# Altium PCB ESP32_LED_Matrix_Completed.PcbDoc (part 1 of 2) (continued)
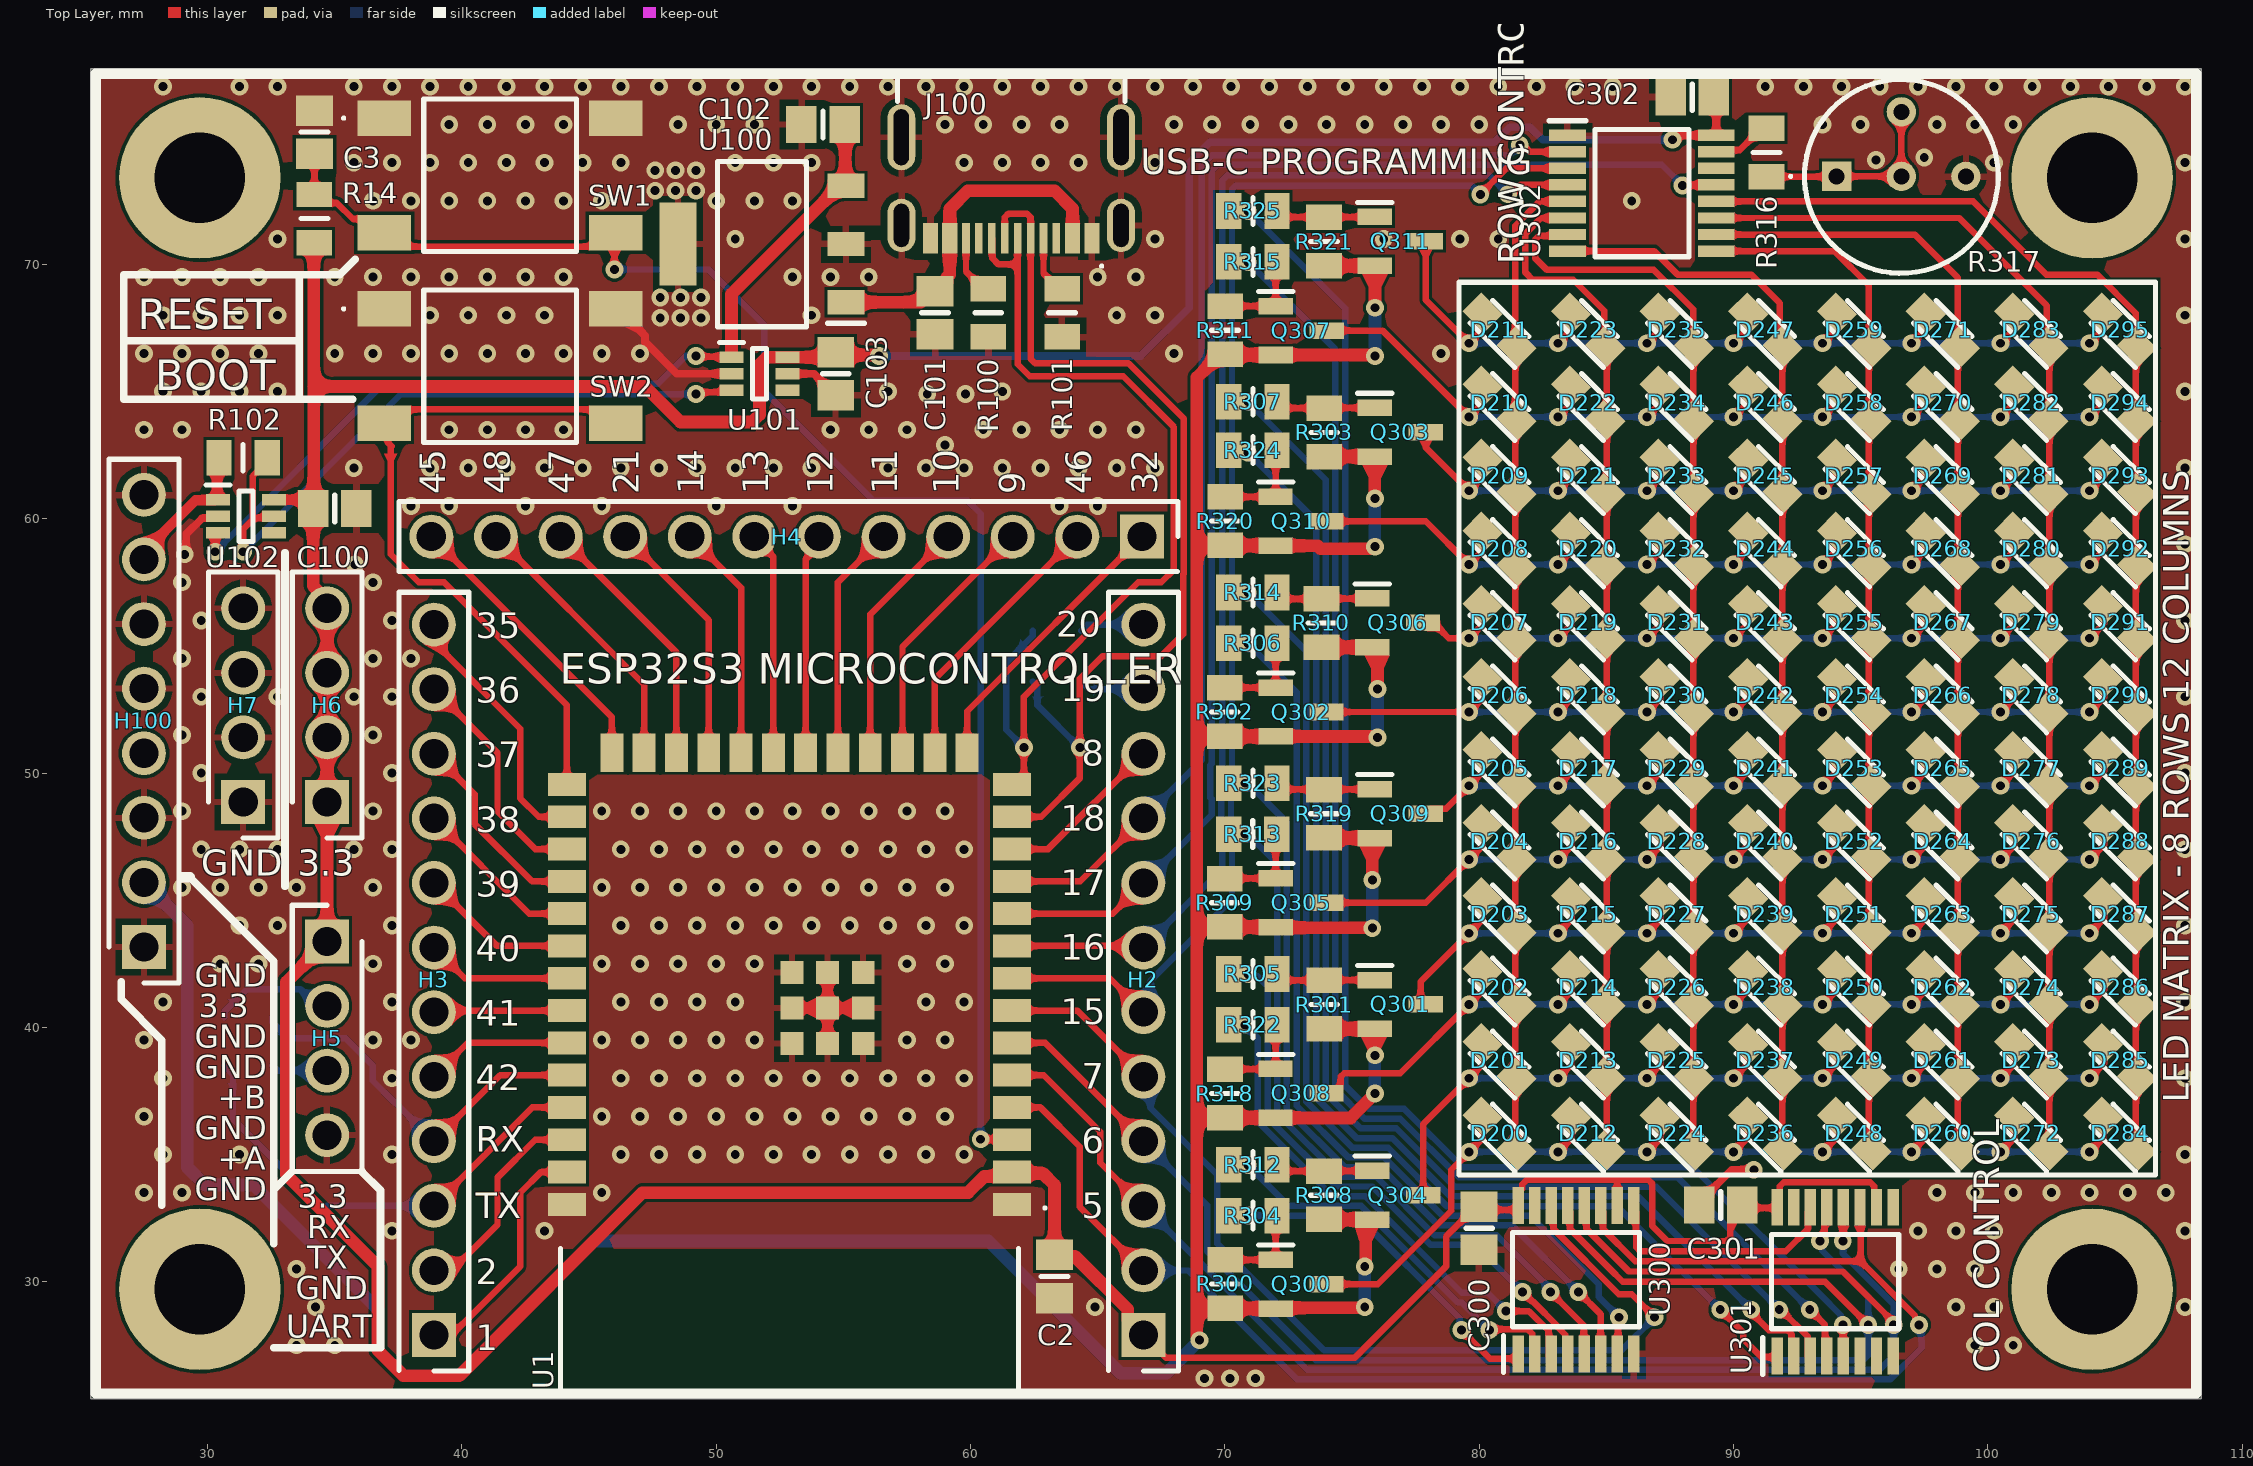
[diagram p0: Top Layer view]
## Components (designator, comment, footprint, x,y, rotation, side; value= is the part's Value field where it differs from the comment) (continued)
D258 "LED" LEDM2012X80N 94.743,64.558 r135 top
D259 "LED" LEDM2012X80N 94.743,67.431 r135 top
D260 "LED" LEDM2012X80N 98.229,35.827 r135 top
D261 "LED" LEDM2012X80N 98.229,38.7 r135 top
D262 "LED" LEDM2012X80N 98.229,41.573 r135 top
D263 "LED" LEDM2012X80N 98.229,44.446 r135 top
D264 "LED" LEDM2012X80N 98.229,47.319 r135 top
D265 "LED" LEDM2012X80N 98.229,50.192 r135 top
D266 "LED" LEDM2012X80N 98.229,53.065 r135 top
D267 "LED" LEDM2012X80N 98.229,55.939 r135 top
D268 "LED" LEDM2012X80N 98.229,58.812 r135 top
D269 "LED" LEDM2012X80N 98.229,61.685 r135 top
D270 "LED" LEDM2012X80N 98.229,64.558 r135 top
D271 "LED" LEDM2012X80N 98.229,67.431 r135 top
D272 "LED" LEDM2012X80N 101.714,35.827 r135 top
D273 "LED" LEDM2012X80N 101.714,38.7 r135 top
D274 "LED" LEDM2012X80N 101.714,41.573 r135 top
D275 "LED" LEDM2012X80N 101.714,44.446 r135 top
D276 "LED" LEDM2012X80N 101.714,47.319 r135 top
D277 "LED" LEDM2012X80N 101.714,50.192 r135 top
D278 "LED" LEDM2012X80N 101.714,53.065 r135 top
D279 "LED" LEDM2012X80N 101.714,55.939 r135 top
D280 "LED" LEDM2012X80N 101.714,58.812 r135 top
D281 "LED" LEDM2012X80N 101.714,61.685 r135 top
D282 "LED" LEDM2012X80N 101.714,64.558 r135 top
D283 "LED" LEDM2012X80N 101.714,67.431 r135 top
D284 "LED" LEDM2012X80N 105.2,35.827 r135 top
D285 "LED" LEDM2012X80N 105.2,38.7 r135 top
D286 "LED" LEDM2012X80N 105.2,41.573 r135 top
D287 "LED" LEDM2012X80N 105.2,44.446 r135 top
D288 "LED" LEDM2012X80N 105.2,47.319 r135 top
D289 "LED" LEDM2012X80N 105.2,50.192 r135 top
D290 "LED" LEDM2012X80N 105.2,53.065 r135 top
D291 "LED" LEDM2012X80N 105.2,55.939 r135 top
D292 "LED" LEDM2012X80N 105.2,58.812 r135 top
D293 "LED" LEDM2012X80N 105.2,61.685 r135 top
D294 "LED" LEDM2012X80N 105.2,64.558 r135 top
D295 "LED" LEDM2012X80N 105.2,67.431 r135 top
H2 "Header" Header_1X12 66.8,27.9 r90 top
H3 "Header" Header_1X12 38.9,27.9 r90 top
H4 "Header" Header_1X12 66.74,59.3 r180 top
H5 "4-Pin Header" Header_1X4 34.7,43.38 r270 top
H6 "4-Pin Header" Header_1X4 34.7,48.86 r90 top
H7 "4-Pin Header" Header_1X4 31.4,48.86 r90 top
H100 "Header" Header_1X8 27.5,43.16 r90 top
J100 "USB C" "USB TYPE C 12 PIN" 61.6,74.2 r180 top
Q300 "SI2305" SOT23 73,29.9 r270 top
Q301 "SI2305" SOT23 76.9,40.9 r270 top
Q302 "SI2305" SOT23 73,52.4 r270 top
Q303 "SI2305" SOT23 76.9,63.4 r270 top
Q304 "SI2305" SOT23 76.8,33.4 r270 top
Q305 "SI2305" SOT23 73,44.9 r270 top
Q306 "SI2305" SOT23 76.795,55.905 r270 top
Q307 "SI2305" SOT23 73.003,67.397 r270 top
Q308 "SI2305" SOT23 72.995,37.405 r270 top
Q309 "SI2305" SOT23 76.9,48.4 r270 top
Q310 "SI2305" SOT23 72.995,59.905 r270 top
Q311 "SI2305" SOT23 76.895,70.905 r270 top
R1 "0" RESC0805 31.6,40.4 r180 bottom
R2 "0" RESC0805 31.6,38.5 r0 bottom
R3 "0" RESC0805 63.4,53.7 r180 bottom
R4 "0" RESC0805 63.4,55.6 r180 bottom
R14 "10k" RESC0805 34.2,71.8 r90 top
R100 "5.11k" RESC0805 60.7,68.1 r90 top
R101 "5.11k" RESC0805 63.6,68.1 r90 top
R102 "10k" RESC0805 31.4,62.4 r180 top
R300 "100k" RESC0805 70.01,29.91 r90 top
R301 "100k" RESC0805 73.905,40.895 r90 top
R302 "100k" RESC0805 69.995,52.405 r90 top
R303 "100k" RESC0805 73.905,63.395 r90 top
R304 "10k" RESC0805 71.1,32.6 r0 top
R305 "10k" RESC0805 71.1,42.1 r0 top
R306 "10k" RESC0805 71.1,55.1 r0 top
R307 "10k" RESC0805 71.1,64.6 r0 top
R308 "100k" RESC0805 73.9,33.4 r90 top
R309 "100k" RESC0805 70,44.9 r90 top
R310 "100k" RESC0805 73.8,55.9 r90 top
R311 "100k" RESC0805 70.01,67.41 r90 top
R312 "10k" RESC0805 71.1,34.6 r0 top
R313 "10k" RESC0805 71.096,47.6 r0 top
R314 "10k" RESC0805 71.1,57.1 r0 top
R315 "10k" RESC0805 71.1,70.1 r0 top
R316 "1k" RESC0805 91.3,74.4 r270 top
R317 "50k" 3339P1103LF 94.06,73.46 r0 top
R318 "100k" RESC0805 70.005,37.395 r90 top
R319 "100k" RESC0805 73.9,48.4 r90 top
R320 "100k" RESC0805 70.01,59.91 r90 top
R321 "100k" RESC0805 73.9,70.9 r90 top
R322 "10k" RESC0805 71.1,40.1 r0 top
R323 "10k" RESC0805 71.1,49.6 r0 top
R324 "10k" RESC0805 71.1,62.7 r0 top
R325 "10k" RESC0805 71.1,72.1 r0 top
SW1 "TS04-66-73-BK-100-SMT" "Tactile Button 6.0mm x 6.0mm" 41.5,73.5 r0 top
SW2 "TS04-66-73-BK-100-SMT" "Tactile Button 6.0mm x 6.0mm" 41.5,66 r0 top
U1 "ESP32-S3-WROOM-1-N8" ESP32-S3-WROOM-1-N8 52.5,38.3 r180 top
U100 "AZ1117CH2-3.3TRG1" SOT223 51.8,70.8 r180 top
U101 "LM66100DCKR" SC70-6 51.7,65.7 r0 top
U102 "LM66100DCKR" SC70-6 31.512,60.098 r0 top
U300 "74HC595" TSSOP16 83.805,30.077 r90 top
U301 "74HC595" TSSOP16 94,30 r90 top
U302 "STP08DP05TTR" TSSOP16 86.4,72.8 r0 top

## Footprints (in the part's own frame and the unit in brackets; to place one, negate y for a bottom-side part, rotate by r counter-clockwise, add the part's x,y. Pads: shape width x height; smd on the part's side, far side on the other; paste and mask are expansions set on the pad)
3339P1103LF [mm]
  rect 1.155x1.155 hole 0.63: 1(0,0)
  round 1.155 hole 0.63: 2(2.54,0) 2(2.54,2.54) 3(5.08,0)
  silkscreen extent -1.86,-3.81 6.35,3.81, body extent -1.27,-3.81 6.35,3.81, height 6.42
CAP0805 [mm] "Chip Capacitor, 2-Leads, Body 2.00x1.20mm, IPC Medium Density"
  rect 1.2x1.45 smd: 1(-0.85,0) 2(0.85,0)
  silkscreen extent 0,-0.53 0,0.53, body extent -1,-0.63 1,0.63, height 1.1
ESP32-S3-WROOM-1-N8 [mm]
  rect 1.5x0.9 smd: 1(-9.131,5.26) 2(-9.131,3.99) 3(-9.131,2.72) 4(-9.131,1.45) 5(-9.131,0.18) 6(-9.131,-1.09) 7(-9.131,-2.36) 8(-9.131,-3.63) 9(-9.131,-4.9) 10(-9.131,-6.17) 11(-9.131,-7.44) 12(-9.131,-8.71) 13(-9.131,-9.98) 14(-9.131,-11.25) 27(8.369,-11.25) 28(8.369,-9.98) 29(8.369,-8.71) 30(8.369,-7.44) 31(8.369,-6.17) 32(8.369,-4.9) 33(8.369,-3.63) 34(8.369,-2.36) 35(8.369,-1.09) 36(8.369,0.18) 37(8.369,1.45) 38(8.369,2.72) 39(8.369,3.99) 40(8.369,5.26)
  rect 0.9x1.5 smd: 15(-7.366,-12.5) 16(-6.096,-12.5) 17(-4.826,-12.5) 18(-3.556,-12.5) 19(-2.286,-12.5) 20(-1.016,-12.5) 21(0.254,-12.5) 22(1.524,-12.5) 23(2.794,-12.5) 24(4.064,-12.5) 25(5.334,-12.5) 26(6.604,-12.5)
  rect 0.9x0.9 smd: 41(-1.881,-2.46) 42(-1.881,-1.06) 43(-3.281,-1.06) 44(-3.281,-2.46) 45(-3.281,-3.86) 46(-1.881,-3.86) 47(-0.481,-3.86) 48(-0.481,-2.46) 49(-0.481,-1.06)
  silkscreen extent -10.48,5.35 8.62,12.75, body extent -9.38,-12.75 8.62,12.75, height 2.7
Header_1X4 [mm]
  rect 1.725x1.725 hole 1.15: 1(0,0)
  round 1.725 hole 1.15: 2(2.54,0) 3(5.08,0) 4(7.62,0)
  silkscreen extent -1.42,-1.37 9.04,1.37
Header_1X8 [mm]
  rect 1.725x1.725 hole 1.15: 1(0,0)
  round 1.725 hole 1.15: 2(2.54,0) 3(5.08,0) 4(7.62,0) 5(10.16,0) 6(12.7,0) 7(15.24,0) 8(17.78,0)
  silkscreen extent -1.42,-1.37 19.18,1.37
Header_1X12 [mm]
  rect 1.725x1.725 hole 1.15: 1(0,0)
  round 1.725 hole 1.15: 2(2.54,0) 3(5.08,0) 4(7.62,0) 5(10.16,0) 6(12.7,0) 7(15.24,0) 8(17.78,0) 9(20.32,0) 10(22.86,0) 11(25.4,0) 12(27.94,0)
  silkscreen extent -1.42,-1.37 29.21,1.37
LEDM2012X80N [mm]
  rect 1.2x1.05 smd: 1(-0.95,0) 2(0.95,0)
  silkscreen extent -1.47,-0.62 1,0.63, body extent -1,-0.62 1,0.62, height 0.7
RESC0805 [mm] "Chip Resistor, 2-Leads, Body 2.00x1.20mm, IPC Medium Density"
  rect 1x1.4 smd: 1(-0.95,0) 2(0.95,0)
  silkscreen extent 0,-0.53 0,0.53, body extent -1,-0.63 1,0.63, height 0.5
SC70-6 [mm]
  rect 0.95x0.45 smd: 1(-1.1,0.65) 2(-1.1,0) 3(-1.1,-0.65) 4(1.1,-0.65) 5(1.1,0) 6(1.1,0.65)
  silkscreen extent -1.58,-1 0.28,1.22, body extent -1.05,-1 1.05,1, height 1
SOT23 [mm]
  rect 0.65x1.35 smd: 1(-0.96,-1) 2(0.96,-1) 3(0,1)
  silkscreen extent -1.54,-1.68 -1.54,-0.33, body extent -1.45,-1.2 1.45,1.2, height 0.95
SOT223 [mm]
  rect 1.45x0.95 smd: 1(-3.3,2.29) 2(-3.3,0) 3(-3.3,-2.29)
  rect 1.45x3.25 smd: 4(3.3,0)
  silkscreen extent -4.03,-3.25 1.75,3.25, body extent -3.35,-3.15 3.35,3.15, height 1.8
"Tactile Button 6.0mm x 6.0mm" [mm]
  rect 2.1x1.4 smd: 1(-4.55,2.25) 2(4.55,2.25) 3(-4.55,-2.25) 4(4.55,-2.25)
  silkscreen extent -6.2,-3 3,3, body extent -5,-3 5,3, height 7.4
TSSOP16 [mm]
  rect 1.45x0.45 smd: 1(-2.925,2.275) 2(-2.925,1.625) 3(-2.925,0.975) 4(-2.925,0.325) 5(-2.925,-0.325) 6(-2.925,-0.975) 7(-2.925,-1.625) 8(-2.925,-2.275) 9(2.925,-2.275) 10(2.925,-1.625) 11(2.925,-0.975) 12(2.925,-0.325) 13(2.925,0.325) 14(2.925,0.975) 15(2.925,1.625) 16(2.925,2.275)
  silkscreen extent -3.65,-2.5 1.85,2.85, body extent -3.2,-2.5 3.2,2.5, height 1.2
"USB TYPE C 12 PIN" [mm]
  oval 1.1x2.6 hole 0.6 slot 2.2 at 90 deg: 1(-4.32,-0.8) 16(4.32,-0.8)
  oval 1.1x2.1 hole 0.6 slot 1.7 at 90 deg: 2(-4.318,2.667) 15(4.318,2.667)
  rect 0.6x1.2 smd: 3(3.175,3.175) 4(2.413,3.175) 13(-2.413,3.175) 14(-3.175,3.175)
  rect 0.3x1.2 smd: 5(1.778,3.175) 6(1.27,3.175) 7(0.762,3.175) 8(0.254,3.175) 9(-0.254,3.175) 10(-0.762,3.175) 11(-1.27,3.175) 12(-1.778,3.175)
  silkscreen extent -4.47,-3.4 4.47,4.32, body extent -4.34,-3.47 4.6,3.43, height 3.26

## Part data
C2 C3 C100 C101 C102 C103 C300 C301 C302: library part "Capacitor - Non Polarized", "Non Polarized Capacitor"
D200 D201 D202 D203 D204 D205 D206 D207 D208 D209 D210 D211 D212 D213 D214 D215 D216 D217 D218 D219 D220 D221 D222 D223 D224 D225 D226 D227 D228 D229 D230 D231 D232 D233 D234 D235 D236 D237 D238 D239 D240 D241 D242 D243 D244 D245 D246 D247 D248 D249 D250 D251 D252 D253 D254 D255 D256 D257 D258 D259 D260 D261 D262 D263 D264 D265 D266 D267 D268 D269 D270 D271 D272 D273 D274 D275 D276 D277 D278 D279 D280 D281 D282 D283 D284 D285 D286 D287 D288 D289 D290 D291 D292 D293 D294 D295: "General Purpose LED", ComponentLink1Description=Datasheet, ComponentLink1URL=https://www.smc-diodes.com/propdf/1N4148W%20N0571%20REV.E.pdf
H2 H3 H4: library part "12-Pin Header", "12-Pin Header"
H100: library part "8-Pin Header", "8-Pin Header", System=Connector
J100: library part "USB Type C Connector 12 Pin"
Q300 Q301 Q302 Q303 Q304 Q305 Q306 Q307 Q308 Q309 Q310 Q311: "General Purpose P-Channel MOSFET", ComponentLink1Description=Datasheet, ComponentLink1URL=https://www.vishay.com/docs/64847/si2305cd.pdf
R1 R2 R3 R4 R14 R100 R101 R102 R300 R301 R302 R303 R304 R305 R306 R307 R308 R309 R310 R311 R312 R313 R314 R315 R316 R318 R319 R320 R321 R322 R323 R324 R325: library part Resistor, "Resistor"
R317: library part Potentiometer, "Potentionmeter"
SW1 SW2: "Switch", Manufacturer_Name="Same Sky", Mouser Part Number=179-TS046673BK100SMT, Arrow Part Number=TS04-66-73-BK-100-SMT, Arrow Price/Stock=https://www.arrow.com/en/products/ts04-66-73-bk-100-smt/cui-devices?utm_currency=USD&region=nac, Datasheet Link=https://www.sameskydevices.com/product/resource/supplyframepdf/ts04.pdf, Height=7.6mm, Manufacturer_Part_Number=TS04-66-73-BK-100-SMT, Mouser Price/Stock=https://www.mouser.co.uk/ProductDetail/Same-Sky/TS04-66-73-BK-100-SMT?qs=A6eO%252BMLsxmRAmp3wqRUzZw%3D%3D
U1: "ESP32 Microcontroller with Bluetooth and Wifi"
U100: library part AZ1117CH2-3.3TRG1_1, "3.3V Linear Voltage Regulator"
U101 U102: "5.5-V, 1.5-A 79-mΩ, Low IQ Ideal Diode With Input Polarity Protection", Manufacturer_Name="Texas Instruments", Mouser Part Number=595-LM66100DCKR, Arrow Part Number=LM66100DCKR, Arrow Price/Stock=https://www.arrow.com/en/products/lm66100dckr/texas-instruments?region=nac, Datasheet Link=http://www.ti.com/lit/gpn/LM66100, Height=1.1mm, Manufacturer_Part_Number=LM66100DCKR, Mouser Price/Stock=https://www.mouser.co.uk/ProductDetail/Texas-Instruments/LM66100DCKR?qs=vLWxofP3U2y2yPPrXoBBoA%3D%3D
U300 U301: "Shift Register"
U302: "LED Driver", Manufacturer_Name=STMicroelectronics, Mouser Part Number=511-STP08DP05TTR, Arrow Part Number=STP08DP05TTR, Arrow Price/Stock=https://www.arrow.com/en/products/stp08dp05ttr/stmicroelectronics?region=nac, Datasheet Link=https://componentsearchengine.com/Datasheets/2/STP08DP05TTR.pdf, Height=1.2mm, Manufacturer_Part_Number=STP08DP05TTR, Mouser Price/Stock=https://www.mouser.co.uk/ProductDetail/STMicroelectronics/STP08DP05TTR?qs=xgiOkRdDJ0m7T%2FaY25F5vQ%3D%3D

## Free pads (board coordinates)
  round 6.35 hole 3.556: 7(29.7,29.7) 7(29.7,73.4) 7(104.1,29.7) 7(104.1,73.4)

## Via types
v1: diameter 0.7, hole 0.35, Top Layer to Bottom Layer, tented both sides, 551 vias

## Nets (pads, with @x,y where several pads share a name; then routed paths per layer and width w, separated by ;. In a path a pad name is that pad's centre, name@x,y a point inside that pad or via, vN(x,y) a via of type N, cw(c..) or ccw(c..) an arc to the next point about the centre after c; other vN are vias at no path point)
+3.3: C2.1 C100.1 C103.1 C300.1 C301.1 C302.1 H2.1 H5.1 H6.1 H6.2 H6.3 H6.4 R14.1 U1.2 U101.6 U102.6 U300.10 U300.16 U301.10 U301.16 U302.16 | length 192
  Top Layer w0.254: H2.1@66.8,27.9 67.7,27 75.1,27 78.7,30.6 78.7,31.775 79.875,32.95 C300.1@80,32.95 ; C300.1@80,32.825 81.525,32.825 81.628,32.928 81.628,33.6 81.701,33.673 81.701,33.832 81.879,34.01 85.376,34.01 ; U300.10@85.43,33.002 85.426,33.006 85.426,33.959 85.376,34.01 ; C301.1@90.35,32.9 91.65,32.9 91.725,32.825 91.823,32.923 91.823,33.755 91.972,33.904 95.378,33.904 95.527,33.755 95.527,32.923 U301.10@95.625,32.825 ; C301.1@90.35,33 89.877,32.527 89.877,31.749 89.728,31.6 87.4,31.6 86.8,32.2 86.8,33.861 86.651,34.01 85.376,34.01
  Top Layer w0.3: v1(87.6,74.9) 87.708,74.9 87.883,75.075 U302.16@89.325,75.075 89.325,76.482 C302.1@89.23,76.577
  Top Layer w0.4: U102.6@32.5,60.75 33.8,60.75 C100.1@34.15,60.4
  Top Layer w0.5: R14.1@34.2,70.85 34.175,70.825 34.175,65.2 ; C103.1@54.5,66.35 U101.6@52.8,66.35 51.993,66.35 51.7,66.057 51.7,64.093 51.407,63.8 48.6,63.8 47.2,65.2 34.175,65.2 ; C103.1@54.7,66.55 54.812,66.438 56.362,66.438 v1(56.4,66.4) ; H2.1@66.8,27.9 66.188,28.513 66.188,28.912 64.1,31 63.775,31 63.75,31.025 63.325,31.025 C2.1@63.3,31.05 63.3,33.8 62.838,34.262 61.679,34.262 U1.2@61.631,34.31 61.461,34.14 60.54,34.14 59.9,33.5 47.1,33.5 39.9,26.3 37.7,26.3 36.7,27.3 36.7,30.6 33.1,34.2 33.1,41.78 H5.1@34.7,43.38 H6.1@34.7,48.86 H6.2@34.7,51.4 H6.3@34.7,53.94 H6.4@34.7,56.48 34.7,56.811 34.15,57.361 C100.1@34.15,60.4 34.175,60.425 34.175,65.2
  Bottom Layer w0.3: v1(56.4,66.4) 66.7,66.4 68.6,68.3 68.6,74 69.4,74.8 80.6,74.8 81.2,75.4 82,75.4 82.5,74.9 v1(87.6,74.9)
COL0: D200.2 D212.2 D224.2 D236.2 D248.2 D260.2 D272.2 D284.2 Q300.3 | length 46.2
  Top Layer w0.254: Q300.3@74,29.9 76.015,29.9 78.9,32.785 78.9,34.4 v1(79.6,35.1) 80.128,35.628 80.128,35.803 80.181,35.856 80.181,36.419 D200.2@80.128,36.472 ; v1(83.1,35.1) 83.628,35.628 83.628,35.803 83.681,35.856 83.681,36.419 D212.2@83.628,36.472 ; v1(86.6,35.1) 87.128,35.628 87.128,35.803 87.181,35.856 87.181,36.419 D224.2@87.128,36.472 ; v1(90,35.1) 90.528,35.628 90.528,35.803 90.581,35.856 90.581,36.419 D236.2@90.528,36.472 ; v1(93.5,35.1) 94.028,35.628 94.028,35.803 94.081,35.856 94.081,36.419 D248.2@94.028,36.472 ; v1(97,35.1) 97.528,35.628 97.528,35.803 97.581,35.856 97.581,36.419 D260.2@97.528,36.472 ; v1(100.5,35.1) 101.028,35.628 101.028,35.803 101.081,35.856 101.081,36.419 D272.2@101.028,36.472 ; v1(104,35.1) 104.528,35.628 104.528,35.803 104.581,35.856 104.581,36.419 104.528,36.472 D284.2@104.502,36.498
  Bottom Layer w0.254: v1(79.6,35.1) v1(93.5,35.1) v1(100.5,35.1) v1(104,35.1)
COL1: D201.2 D213.2 D225.2 D237.2 D249.2 D261.2 D273.2 D285.2 Q304.3 | length 37.7
  Top Layer w0.254: Q304.3@77.8,33.4 77.8,36.2 v1(79.6,38) 80.128,38.528 D201.2@80.128,38.703 ; v1(83.1,38) 83.628,38.528 D213.2@83.628,38.703 ; v1(86.6,38) 87.128,38.528 D225.2@87.128,38.703 ; v1(90,38) 90.528,38.528 D237.2@90.528,38.703 ; v1(93.5,38) 94.028,38.528 D249.2@94.028,38.703 ; v1(97,38) 97.528,38.528 D261.2@97.528,38.703 ; v1(100.5,38) 101.028,38.528 D273.2@101.028,38.703 ; v1(104,38) 104.528,38.528 104.528,38.534 104.581,38.587 104.581,39.15 D285.2@104.528,39.203
  Bottom Layer w0.254: v1(79.6,38) v1(100.5,38) v1(104,38)
COL2: D202.2 D214.2 D226.2 D238.2 D250.2 D262.2 D274.2 D286.2 Q308.3 | length 39.6
  Top Layer w0.254: Q308.3@74,37.4 74.35,37.4 74.548,37.598 74.548,38.051 74.697,38.2 76.9,38.2 v1(79.6,40.9) 80.128,41.428 D202.2@80.128,41.603 ; v1(83.1,40.9) 83.628,41.428 D214.2@83.628,41.603 ; v1(86.6,40.9) 87.128,41.428 D226.2@87.128,41.603 ; v1(90,40.9) 90.528,41.428 D238.2@90.528,41.603 ; v1(93.5,40.9) 94.028,41.428 D250.2@94.028,41.603 ; v1(97,40.9) 97.528,41.428 D262.2@97.528,41.603 ; v1(100.5,40.9) 101.028,41.428 D274.2@101.028,41.603 ; v1(104,40.9) 104.528,41.428 104.528,41.434 104.581,41.487 104.581,42.05 D286.2@104.528,42.103
  Bottom Layer w0.254: v1(79.6,40.9) v1(100.5,40.9) v1(104,40.9)
COL3: D203.2 D215.2 D227.2 D239.2 D251.2 D263.2 D275.2 D287.2 Q301.3 | length 35.9
  Top Layer w0.254: Q301.3@77.7,40.9 77.7,41.8 v1(79.6,43.7) 80.128,44.228 D203.2@80.128,44.403 ; v1(83.1,43.7) 83.628,44.228 D215.2@83.628,44.403 ; v1(86.6,43.7) 87.128,44.228 D227.2@87.128,44.403 ; v1(90,43.7) 90.528,44.228 90.528,44.403 ; v1(93.5,43.7) 94.028,44.228 94.028,44.403 ; v1(97,43.7) 97.528,44.228 97.528,44.403 ; v1(100.5,43.7) 101.028,44.228 D275.2@101.028,44.403 ; v1(104,43.7) 104.528,44.228 104.528,44.234 104.581,44.287 104.581,44.85 D287.2@104.528,44.903
  Bottom Layer w0.254: v1(79.6,43.7) v1(100.5,43.7) v1(104,43.7)
COL4: D204.2 D216.2 D228.2 D240.2 D252.2 D264.2 D276.2 D288.2 Q305.3 | length 38.6
  Top Layer w0.254: Q305.3@74,44.9 77.9,44.9 v1(79.6,46.6) 80.128,47.128 D204.2@80.128,47.303 ; v1(83.1,46.6) 83.628,47.128 D216.2@83.628,47.303 ; v1(86.6,46.6) 87.128,47.128 D228.2@87.128,47.303 ; v1(90,46.6) 90.528,47.128 90.528,47.303 ; v1(93.5,46.6) 94.028,47.128 D252.2@94.028,47.303 ; v1(97,46.6) 97.528,47.128 D264.2@97.528,47.303 ; v1(100.5,46.6) 101.028,47.128 D276.2@101.028,47.303 ; v1(104,46.6) 104.528,47.128 104.528,47.134 104.581,47.187 104.581,47.75 D288.2@104.528,47.803
  Bottom Layer w0.254: v1(79.6,46.6) v1(100.5,46.6) v1(104,46.6)
COL5: D205.2 D217.2 D229.2 D241.2 D253.2 D265.2 D277.2 D289.2 Q309.3 | length 34.5
  Top Layer w0.254: Q309.3@77.9,48.4 78.098,48.598 78.698,48.598 79.076,48.976 v1(79.6,49.5) 80.128,50.028 D205.2@80.128,50.203 ; v1(83.1,49.5) 83.628,50.028 D217.2@83.628,50.203 ; v1(86.6,49.5) 87.128,50.028 D229.2@87.128,50.203 ; v1(90,49.5) 90.528,50.028 D241.2@90.528,50.203 ; v1(93.5,49.5) 94.028,50.028 D253.2@94.028,50.203 ; v1(97,49.5) 97.528,50.028 D265.2@97.528,50.203 ; v1(100.5,49.5) 101.028,50.028 D277.2@101.028,50.203 ; v1(104,49.5) 104.528,50.028 104.528,50.034 104.581,50.087 104.581,50.65 D289.2@104.528,50.703
  Bottom Layer w0.254: v1(79.6,49.5) v1(100.5,49.5) v1(104,49.5)
COL6: D206.2 D218.2 D230.2 D242.2 D254.2 D266.2 D278.2 D290.2 Q302.3 | length 37.9
  Top Layer w0.254: Q302.3@74,52.4 v1(79.6,52.4) 80.128,52.928 D206.2@80.128,53.103 ; v1(83.1,52.4) 83.628,52.928 D218.2@83.628,53.103 ; v1(86.6,52.4) 87.128,52.928 D230.2@87.128,53.103 ; v1(90,52.4) 90.528,52.928 D242.2@90.528,53.103 ; v1(93.5,52.4) 94.028,52.928 D254.2@94.028,53.103 ; v1(97,52.4) 97.528,52.928 D266.2@97.528,53.103 ; v1(100.5,52.4) 101.028,52.928 D278.2@101.028,53.103 ; v1(104,52.4) 104.528,52.928 104.528,52.934 104.581,52.987 104.581,53.55 D290.2@104.528,53.603
  Bottom Layer w0.254: v1(79.6,52.4) v1(100.5,52.4) v1(104,52.4)
COL7: D207.2 D219.2 D231.2 D243.2 D255.2 D267.2 D279.2 D291.2 Q306.3 | length 34.4
  Top Layer w0.254: Q306.3@77.795,55.905 77.8,55.9 77.998,55.702 78.398,55.702 78.8,55.3 v1(79.6,55.3) 80.128,55.828 D207.2@80.128,56.003 ; v1(83.1,55.3) 83.628,55.828 D219.2@83.628,56.003 ; v1(86.6,55.3) 87.128,55.828 D231.2@87.128,56.003 ; v1(90,55.3) 90.528,55.828 D243.2@90.528,56.003 ; v1(93.5,55.3) 94.028,55.828 D255.2@94.028,56.003 ; v1(97,55.3) 97.528,55.828 D267.2@97.528,56.003 ; v1(100.5,55.3) 101.028,55.828 D279.2@101.028,56.003 ; v1(104,55.3) 104.528,55.828 104.528,55.834 104.581,55.887 104.581,56.45 D291.2@104.528,56.503
  Bottom Layer w0.254: v1(79.6,55.3) v1(100.5,55.3) v1(104,55.3)
COL8: D208.2 D220.2 D232.2 D244.2 D256.2 D268.2 D280.2 D292.2 Q310.3 | length 39.1
  Top Layer w0.254: Q310.3@73.483,59.9 77.9,59.9 v1(79.6,58.2) 80.128,58.728 D208.2@80.128,58.903 ; v1(83.1,58.2) 83.628,58.728 D220.2@83.628,58.903 ; v1(86.6,58.2) 87.128,58.728 D232.2@87.128,58.903 ; v1(90,58.2) 90.528,58.728 D244.2@90.528,58.903 ; v1(93.5,58.2) 94.028,58.728 D256.2@94.028,58.903 ; v1(97,58.2) 97.528,58.728 D268.2@97.528,58.903 ; v1(100.5,58.2) 101.028,58.728 D280.2@101.028,58.903 ; v1(104,58.2) 104.528,58.728 104.528,58.734 104.581,58.787 104.581,59.35 D292.2@104.528,59.403
  Bottom Layer w0.254: v1(79.6,58.2) v1(100.5,58.2) v1(104,58.2)
COL9: D209.2 D221.2 D233.2 D245.2 D257.2 D269.2 D281.2 D293.2 Q303.3 | length 35.3
  Top Layer w0.254: Q303.3@77.9,63.4 77.9,62.8 v1(79.6,61.1) 80.128,61.628 D209.2@80.128,61.803 ; v1(83.1,61.1) 83.628,61.628 D221.2@83.628,61.803 ; v1(86.6,61.1) 87.128,61.628 D233.2@87.128,61.803 ; v1(90,61.1) 90.528,61.628 D245.2@90.528,61.803 ; v1(93.5,61.1) 94.028,61.628 D257.2@94.028,61.803 ; v1(97,61.1) 97.528,61.628 D269.2@97.528,61.803 ; v1(100.5,61.1) 101.028,61.628 D281.2@101.028,61.803 ; v1(104,61.1) 104.528,61.628 104.528,61.634 104.581,61.687 104.581,62.25 D293.2@104.528,62.303
  Bottom Layer w0.254: v1(79.6,61.1) v1(100.5,61.1) v1(104,61.1)
COL10: D210.2 D222.2 D234.2 D246.2 D258.2 D270.2 D282.2 D294.2 Q307.3 | length 40.2
  Top Layer w0.254: Q307.3@74,67.4 76.2,67.4 v1(79.6,64) 80.128,64.528 D210.2@80.128,64.703 ; v1(83.1,64) 83.628,64.528 D222.2@83.628,64.703 ; v1(86.6,64) 87.128,64.528 D234.2@87.128,64.703 ; v1(90,64) 90.528,64.528 D246.2@90.528,64.703 ; v1(93.5,64) 94.028,64.528 D258.2@94.028,64.703 ; v1(100.5,64) 101.028,64.528 D282.2@101.028,64.703 ; v1(104,64) 104.528,64.528 104.528,64.534 104.581,64.587 104.581,65.15 D294.2@104.528,65.203 ; D270.2@97.528,64.528 v1(97,64) D270.2@97.528,64.528 ; D270.2@97.528,64.528 97.528,64.703 D270.2@97.528,64.528
  Bottom Layer w0.254: v1(79.6,64) v1(100.5,64) v1(104,64)
COL11: D211.2 D223.2 D235.2 D247.2 D259.2 D271.2 D283.2 D295.2 Q311.3 | length 37
  Top Layer w0.254: Q311.3@77.9,70.9 77.9,68.6 v1(79.6,66.9) 80.128,67.428 D211.2@80.128,67.603 ; v1(83.1,66.9) 83.628,67.428 D223.2@83.628,67.603 ; v1(86.6,66.9) 87.128,67.428 D235.2@87.128,67.603 ; v1(90,66.9) 90.528,67.428 D247.2@90.528,67.603 ; v1(93.5,66.9) 94.028,67.428 D259.2@94.028,67.603 ; v1(97,66.9) 97.528,67.428 D271.2@97.528,67.603 ; v1(100.5,66.9) 101.028,67.428 D283.2@101.028,67.603 ; v1(104,66.9) 104.528,67.428 104.528,67.434 104.581,67.487 104.581,68.05 D295.2@104.528,68.103
  Bottom Layer w0.254: v1(79.6,66.9) v1(100.5,66.9) v1(104,66.9)
COL_DS: H2.5 U1.7 U300.14 | length 39.7
  Top Layer w0.254: U1.7@61.631,40.66 64.2,40.66 H2.5@66.8,38.06 ; U300.14@82.825,32.825 82.923,32.727 82.923,32.068 85.491,29.5 86,29.5 v1(86.9,28.6)
  Bottom Layer w0.254: H2.5@66.8,38.06 67.081,37.779 67.081,36.818 69.7,34.199 69.7,31.5 73.9,27.3 85.6,27.3 v1(86.9,28.6)
COL_OE: H2.4 U1.6 U300.13 U301.13 | length 60.2
  Top Layer w0.254: U1.6@61.631,39.39 62.93,39.39 65.2,37.12 H2.4@66.8,35.52 ; U300.13@83.475,32.825 83.573,32.727 83.573,32.068 85.122,30.519 85.641,30 93.6,30 v1(95.3,28.3) ; v1(93.4,31.6) 93.4,31.721 93.577,31.898 93.577,32.727 U301.13@93.675,32.825
  Bottom Layer w0.254: H2.4@67.103,35.197 69.3,33 69.3,31.2 73.581,26.919 95.108,26.919 95.3,27.111 v1(95.3,28.3) 95.3,29.4 93.485,31.215 93.485,31.515 v1(93.4,31.6)
COL_SH_CP: H2.2 U1.4 U300.11 U301.11 | length 60
  Top Layer w0.254: U1.4@61.631,36.85 62.75,36.85 64.3,35.3 64.3,32.94 H2.2@66.8,30.44 ; U300.11@84.775,32.825 84.873,32.727 84.873,32.068 86.141,30.8 95,30.8 ; U301.11@94.975,32.825 95,32.8 95,30.8 ; v1(97.3,28.3) 97.3,28.421 97.137,28.584 97.137,28.663 95,30.8
  Bottom Layer w0.254: H2.2@66.8,30.44 68.56,30.44 72.843,26.157 96.157,26.157 97.4,27.4 97.4,27.654 97.385,27.669 97.385,28.215 v1(97.3,28.3)
COL_SIG0: R304.1 U300.1 | length 13.9
  Top Layer w0.254: R304.1@70.15,32.6 v1(70.9,32.6) ; v1(79.3,28.1) 80.425,26.975 U300.1@81.525,26.975
  Bottom Layer w0.254: v1(70.9,32.6) 75.2,32.6 79.237,28.563 79.237,28.163 v1(79.3,28.1)
COL_SIG1: R312.1 U300.2 | length 15.7
  Top Layer w0.254: R312.1@70.15,34.6 70.162,34.588 v1(70.9,34.588) ; v1(80.4,28.1) 80.431,28.131 81.902,28.131 82.082,27.951 82.082,27.068 U300.2@82.175,26.975
  Bottom Layer w0.254: v1(70.9,34.588) 72.506,32.981 75.358,32.981 79.158,29.181 79.319,29.181 v1(80.4,28.1)
COL_SIG2: R322.1 U300.3 | length 20.6
  Top Layer w0.254: R322.1@70.15,40.1 v1(70.8,40.1) ; v1(81.058,28.842) 81.958,28.842 82.735,28.065 82.735,27.065 U300.3@82.825,26.975
  Bottom Layer w0.254: v1(70.8,40.1) 70.8,40.066 71.3,39.566 71.3,36.291 74.229,33.362 75.516,33.362 79.316,29.562 80.338,29.562 v1(81.058,28.842)
COL_SIG3: R305.1 U300.4 | length 23
  Top Layer w0.254: R305.1@70.15,42.1 v1(70.9,42.1) ; v1(81.7,29.6) 82.077,29.223 82.116,29.223 83.116,28.223 83.116,28.184 83.382,27.918 83.382,27.25 U300.4@83.48,27.152
  Bottom Layer w0.254: v1(70.9,42.1) 70.985,42.015 71.285,42.015 71.681,41.619 71.681,36.449 74.387,33.743 75.792,33.743 78.087,31.448 79.852,31.448 v1(81.7,29.6)
COL_SIG4: R313.1 U300.5 | length 29.2
  Top Layer w0.254: R313.1@70.146,47.6 70.896,47.6 v1(70.8,47.6) ; v1(82.8,29.6) 84.112,28.287 84.112,26.988 U300.5@84.125,26.975
  Bottom Layer w0.254: v1@70.9,47.596 72.062,46.434 72.062,36.607 74.545,34.124 75.95,34.124 78.245,31.829 80.692,31.829 82.8,29.721 v1(82.8,29.6)